# Altium PCB 2-quilter-output.pcbdoc (part 5 of 17)
Units mil, origin at the board's own origin, x right, y up, seen from the top; angles counter-clockwise.
Board outline 2728 x 2217 mil, 8 copper layers (L1_TOP, L2_GND, L3_INNER1, L4_GND, L5_PWR, L6_PWR, L7_GND, L8_BOT), stack 48.64 mil thick; 230 components, 327 nets, 1592 pads, 995 vias.
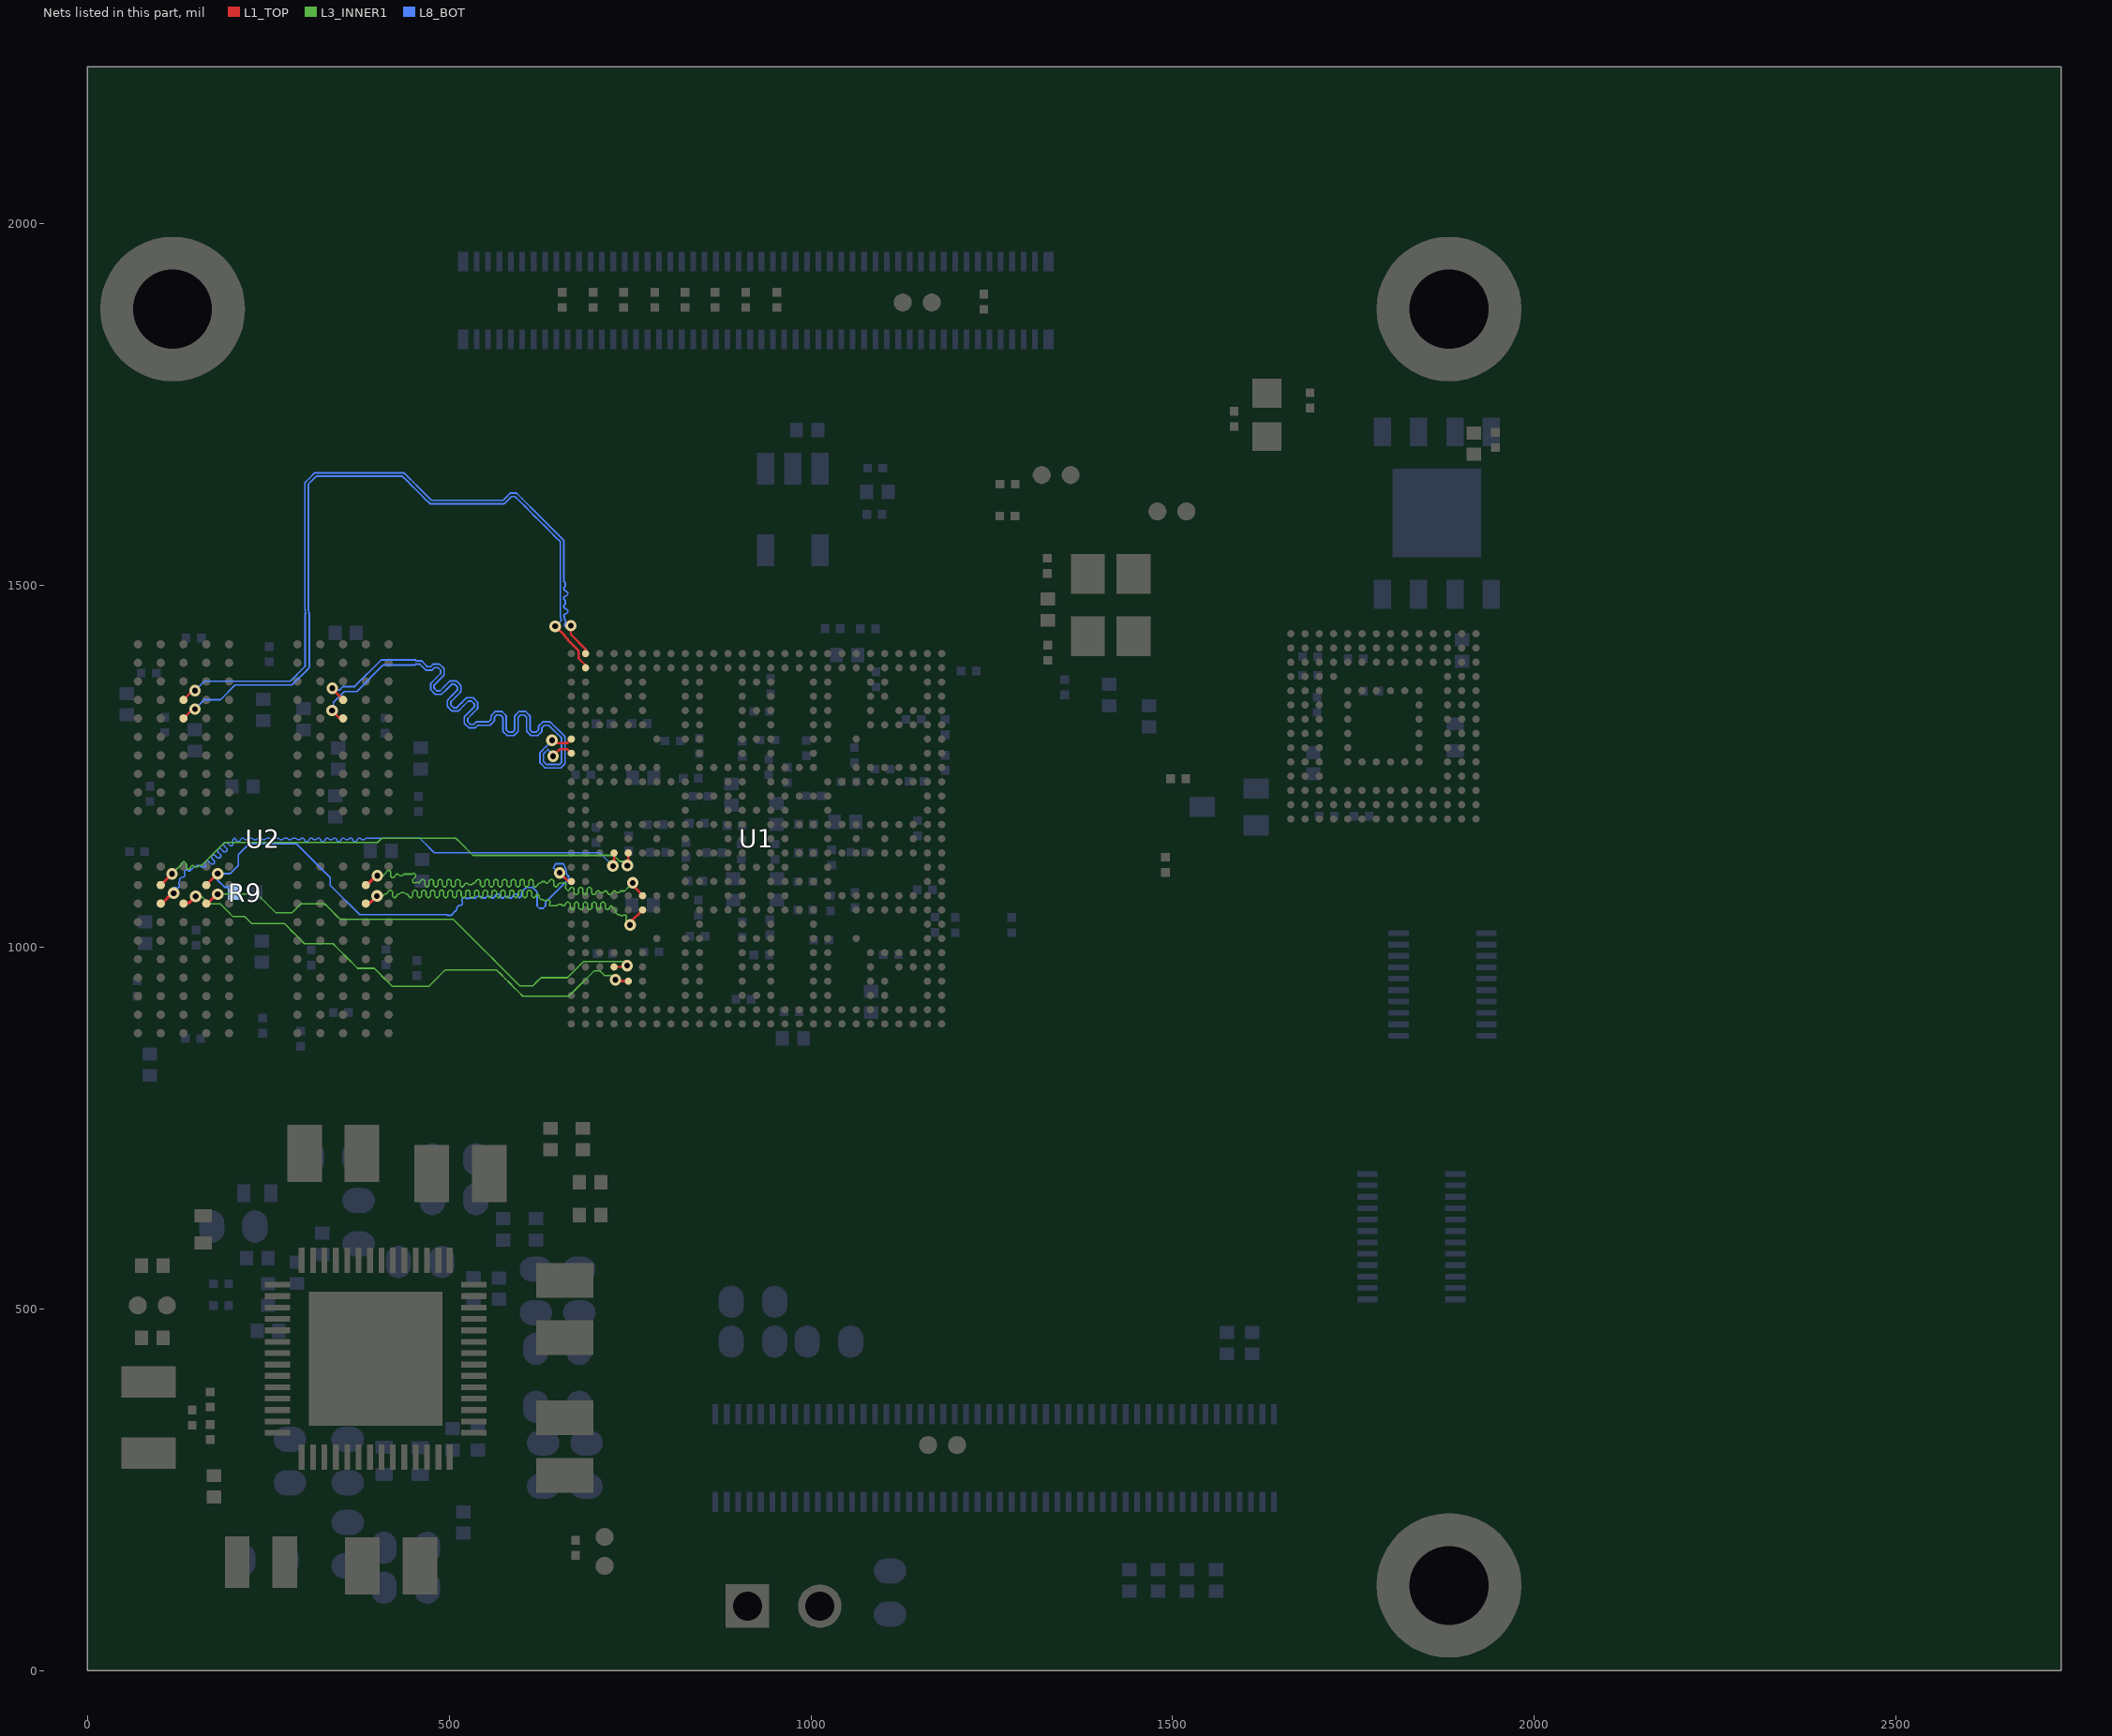
[diagram p11: the nets of this part, all layers, seen from the top]

## Via types
v1: diameter 12.01, hole 5.91, L1_TOP to L8_BOT, tented both sides, 409 vias
v2: diameter 16, hole 8, L1_TOP to L8_BOT, tented both sides, 329 vias
v3: diameter 10, hole 6, L1_TOP to L8_BOT, tented both sides, 205 vias
v4: diameter 16, hole 8, L1_TOP to L8_BOT, tented top, 52 vias

## Nets (pads, with @x,y where several pads share a name; then routed paths per layer and width w, separated by ;. In a path a pad name is that pad's centre, name@x,y a point inside that pad or via, vN(x,y) a via of type N, cw(c..) or ccw(c..) an arc to the next point about the centre after c; other vN are vias at no path point) (continued)
DRAMA_SDQS0_C: U1.B2 U2.V10 | length 1049.6
  L1_TOP w3: 678.87,1399.39 688.67,1389.59 U1.B2@688.67,1386.12
  L1_TOP w3.2: 660.39,1429.86 660.39,1429.08 663.87,1425.6 663.87,1424.92 678.78,1410.01 678.78,1408.02 678.87,1407.93 678.87,1399.39
  L1_TOP w3.3: U2.V10@133.09,1316.24 145.88,1329.03 v4(148.84,1329.03)
  L1_TOP w3.5: v4(646.7,1443.55) 660.39,1429.86
  L8_BOT w2.3: v4(148.84,1329.03) 161.75,1341.94 183.94,1341.94 204.42,1362.42 282.92,1362.42 286.02,1365.53 303.2,1382.7 306.3,1385.8 306.3,1386.31 307,1387.01 307,1460 ; 307.01,1461.14 306.4,1461.41 305.52,1469.29 305.52,1479.33 305.52,1489.36 305.52,1499.4 305.52,1509.43 305.52,1519.47 305.52,1529.5 305.52,1539.54 305.52,1549.57 305.52,1559.61 305.52,1569.64 305.52,1579.67 305.52,1589.71 305.52,1599.74 305.52,1609.78 305.52,1619.81 305.52,1629.85 305.52,1639.88 311.01,1645.37 316.5,1650.87 326.43,1650.87 336.35,1650.87 346.28,1650.87 356.2,1650.87 366.13,1650.87 376.05,1650.87 385.97,1650.87 395.9,1650.87 405.82,1650.87 415.75,1650.87 425.67,1650.87 435.6,1650.87 441.81,1644.65 448.02,1638.44 454.24,1632.23 460.45,1626.01 466.66,1619.8 472.87,1613.59 472.94,1613.53 473,1613.47 473.06,1613.42 473.13,1613.37 473.2,1613.32 473.27,1613.27 473.34,1613.22 473.41,1613.18 473.49,1613.14 473.56,1613.11 473.64,1613.07 473.72,1613.04 473.8,1613.01 473.88,1612.99 473.96,1612.96 474.04,1612.94 474.13,1612.93 474.21,1612.91 474.29,1612.9 474.38,1612.89 474.46,1612.89 474.55,1612.88 484.65,1612.88 494.76,1612.88 504.87,1612.88 514.98,1612.88 525.08,1612.88 535.19,1612.88 545.3,1612.88 555.41,1612.88 565.51,1612.88 575.62,1612.88 575.7,1612.89 575.79,1612.89 575.87,1612.9 575.96,1612.91 576.04,1612.92 576.12,1612.94 576.21,1612.96 576.29,1612.98 576.37,1613 576.45,1613.03 576.53,1613.06 576.6,1613.1 576.68,1613.13 576.76,1613.17 576.83,1613.21 576.9,1613.26 576.97,1613.3 577.04,1613.35 577.11,1613.4 577.17,1613.46 577.24,1613.51 577.3,1613.57 ; 577.32,1613.59 581.98,1618.25 586.65,1622.92 591.18,1622.92 598.13,1615.97 605.08,1609.02 612.03,1602.07 618.99,1595.12 625.94,1588.17 632.89,1581.21 639.84,1574.26 646.79,1567.31 653.74,1560.36 653.74,1550.17 653.74,1539.98 653.74,1529.8 653.74,1519.61 653.74,1509.42 653.74,1499.23 653.74,1489.05 653.74,1478.86 653.74,1468.67 653.74,1458.48 653.74,1458.4 653.75,1458.31 653.76,1458.23 653.77,1458.14 653.78,1458.06 653.8,1457.98 ; v4@647.84,1442.41 651.52,1446.97 655.19,1451.52 653.8,1457.97
DRAMA_SDQS0_T: U1.A2 U2.W10 | length 1041.9
  L1_TOP w3.2: v4(668.39,1444.4) 668.39,1432.4 688.67,1412.12 U1.A2@688.67,1405.81
  L1_TOP w3.3: U2.W10@133.09,1341.83 145.88,1354.62 v4(148.84,1354.62)
  L8_BOT w2.3: v4(148.84,1354.62) 161.94,1367.72 280.72,1367.72 301,1388 301,1460 ; 301,1461.14 301.63,1460.88 300.74,1468.9 300.73,1468.99 300.72,1469.08 300.72,1469.16 300.72,1479.26 300.72,1489.37 300.72,1499.47 300.72,1509.57 300.72,1519.67 300.72,1529.78 300.72,1539.88 300.72,1549.98 300.72,1560.08 300.72,1570.18 300.72,1580.29 300.72,1590.39 300.72,1600.49 300.72,1610.59 300.72,1620.7 300.72,1630.8 300.72,1640.9 300.72,1640.98 300.73,1641.07 300.74,1641.15 300.75,1641.24 300.76,1641.32 300.78,1641.4 300.8,1641.48 300.82,1641.57 300.85,1641.65 300.88,1641.73 300.91,1641.81 300.94,1641.88 300.98,1641.96 301.02,1642.03 301.06,1642.11 301.11,1642.18 301.15,1642.25 301.2,1642.32 301.25,1642.38 301.31,1642.45 301.36,1642.51 301.42,1642.57 307.62,1648.77 313.81,1654.96 ; 313.83,1654.98 313.89,1655.04 313.96,1655.09 314.02,1655.15 314.09,1655.2 314.16,1655.25 314.23,1655.29 314.3,1655.34 314.37,1655.38 314.45,1655.42 314.53,1655.45 314.6,1655.49 314.68,1655.52 314.76,1655.55 314.84,1655.57 314.92,1655.59 315.01,1655.61 315.09,1655.63 315.17,1655.64 315.26,1655.65 315.34,1655.66 315.43,1655.66 315.51,1655.67 325.6,1655.67 335.69,1655.67 345.79,1655.67 355.88,1655.67 365.97,1655.67 376.06,1655.67 386.15,1655.67 396.25,1655.67 406.34,1655.67 416.43,1655.67 426.52,1655.67 436.61,1655.67 436.7,1655.66 436.78,1655.66 436.87,1655.65 436.95,1655.64 437.03,1655.62 437.12,1655.61 437.2,1655.59 437.28,1655.56 437.36,1655.54 437.44,1655.51 437.52,1655.48 437.6,1655.44 437.67,1655.41 437.75,1655.37 437.82,1655.33 437.89,1655.28 437.96,1655.23 438.03,1655.18 438.1,1655.13 438.16,1655.08 438.23,1655.02 438.29,1654.96 444.5,1648.75 450.71,1642.54 456.93,1636.32 463.14,1630.11 469.35,1623.9 475.57,1617.68 485.47,1617.68 495.38,1617.68 505.28,1617.68 515.19,1617.68 525.1,1617.68 535,1617.68 544.91,1617.68 554.81,1617.68 564.72,1617.68 574.63,1617.68 579.29,1622.35 583.96,1627.02 ; 583.98,1627.04 584.04,1627.09 584.1,1627.15 584.17,1627.2 584.24,1627.26 584.31,1627.3 584.38,1627.35 584.45,1627.39 584.52,1627.44 584.6,1627.47 584.67,1627.51 584.75,1627.54 584.83,1627.57 584.91,1627.6 584.99,1627.63 585.07,1627.65 585.16,1627.67 585.24,1627.69 585.32,1627.7 585.41,1627.71 585.49,1627.72 585.57,1627.72 585.66,1627.72 592.2,1627.72 592.28,1627.72 592.37,1627.71 592.45,1627.71 592.54,1627.7 592.62,1627.68 592.7,1627.66 592.78,1627.64 592.87,1627.62 592.95,1627.59 593.03,1627.57 593.1,1627.54 593.18,1627.5 593.26,1627.46 593.33,1627.42 593.41,1627.38 593.48,1627.34 593.55,1627.29 593.62,1627.24 593.68,1627.19 593.75,1627.13 593.81,1627.08 593.87,1627.02 600.98,1619.91 608.09,1612.8 615.19,1605.7 622.3,1598.59 629.41,1591.48 636.52,1584.37 643.62,1577.27 650.73,1570.16 657.84,1563.05 657.91,1562.97 657.97,1562.91 658.02,1562.84 658.08,1562.78 658.12,1562.71 658.17,1562.64 658.21,1562.57 658.26,1562.49 658.29,1562.42 658.33,1562.34 658.36,1562.26 658.39,1562.18 658.42,1562.1 658.45,1562.02 658.47,1561.94 658.49,1561.86 658.51,1561.78 658.52,1561.69 658.53,1561.61 658.54,1561.52 658.54,1561.44 658.54,1561.35 658.54,1552.46 658.54,1543.56 658.54,1534.66 658.54,1525.76 658.54,1516.87 658.54,1507.97 658.54,1505.67 660.73,1503.48 660.73,1498.88 658.54,1496.7 658.54,1494.4 660.73,1492.21 661.88,1492.21 664.06,1490.02 664.06,1487.72 661.88,1485.54 660.73,1485.54 658.54,1483.35 658.54,1481.05 660.73,1478.87 660.73,1474.27 658.54,1472.08 658.54,1469.78 660.73,1467.6 661.88,1467.6 664.06,1465.41 664.06,1463.11 661.88,1460.92 660.73,1460.92 658.54,1458.74 659.88,1452.54 661.14,1451.1 660.92,1448.02 660.06,1447.26 659.85,1444.18 661.36,1442.44 664.44,1442.23 665.31,1442.99 v4@668.39,1442.78
DRAMA_SDQS1_C: U1.H1 U2.V3 | length 753.1
  L1_TOP w3.3: v4(338.39,1327.17) 349.32,1316.24 U2.V3@353.57,1316.24
  L1_TOP w3.5: v2(643.7,1264) 653.46,1273.76 663.23,1273.76 U1.H1@668.98,1268.01
  L8_BOT w2.3: v4(338.39,1327.17) 340.44,1329.22 340.44,1338.62 355.12,1353.3 372.52,1353.3 409.22,1390 453,1390 ; 453.56,1391.14 454.14,1391.1 459.8,1391.11 463.55,1387.35 467.31,1383.6 467.37,1383.54 467.44,1383.48 467.5,1383.43 467.57,1383.38 467.63,1383.33 467.71,1383.28 467.78,1383.23 467.85,1383.19 467.93,1383.15 468,1383.12 468.08,1383.08 468.16,1383.05 468.24,1383.02 468.32,1383 468.4,1382.97 468.48,1382.95 468.56,1382.94 468.65,1382.92 468.73,1382.91 468.81,1382.9 468.9,1382.9 468.98,1382.89 475.54,1382.89 475.63,1382.9 475.71,1382.9 475.8,1382.91 475.88,1382.92 475.96,1382.93 476.05,1382.95 476.13,1382.97 476.21,1382.99 476.29,1383.01 476.37,1383.04 476.45,1383.07 476.53,1383.11 476.61,1383.14 476.68,1383.18 476.75,1383.22 476.83,1383.27 476.9,1383.31 476.97,1383.36 477.03,1383.41 477.1,1383.47 477.16,1383.52 477.22,1383.58 ; 475.31,1355.31 480.38,1350.24 480.44,1350.18 480.51,1350.13 480.57,1350.07 480.64,1350.02 480.71,1349.97 480.78,1349.92 480.85,1349.88 480.92,1349.84 481,1349.8 481.07,1349.76 481.15,1349.73 481.23,1349.7 481.31,1349.67 481.39,1349.64 481.47,1349.62 481.55,1349.6 481.63,1349.58 481.72,1349.57 481.8,1349.56 481.89,1349.55 481.97,1349.54 482.06,1349.54 488.62,1349.54 488.7,1349.54 488.78,1349.55 488.87,1349.55 488.95,1349.56 489.04,1349.58 489.12,1349.59 489.2,1349.61 489.28,1349.63 489.36,1349.66 489.44,1349.69 489.52,1349.72 489.6,1349.75 489.68,1349.79 489.75,1349.83 489.83,1349.87 489.9,1349.91 489.97,1349.96 490.04,1350.01 490.1,1350.06 490.17,1350.11 490.23,1350.17 490.29,1350.23 496.83,1356.77 503.36,1363.29 507.9,1363.29 511.57,1359.62 511.57,1355.08 505.05,1348.55 498.52,1342.03 498.46,1341.97 498.41,1341.91 498.35,1341.84 498.3,1341.78 498.25,1341.71 498.21,1341.64 498.16,1341.57 498.12,1341.49 498.08,1341.42 498.04,1341.34 498.01,1341.26 497.98,1341.19 497.95,1341.11 497.92,1341.03 497.9,1340.94 497.88,1340.86 497.86,1340.78 497.85,1340.7 497.84,1340.61 497.83,1340.53 497.82,1340.44 497.82,1340.36 497.82,1333.8 497.82,1333.71 497.83,1333.63 497.83,1333.55 497.84,1333.46 497.86,1333.38 497.87,1333.29 497.89,1333.21 497.92,1333.13 497.94,1333.05 497.97,1332.97 498,1332.89 498.03,1332.81 498.07,1332.74 498.11,1332.66 498.15,1332.59 498.19,1332.52 498.24,1332.45 498.29,1332.38 498.34,1332.31 498.39,1332.24 498.45,1332.18 498.51,1332.12 503.59,1327.03 503.66,1326.97 503.72,1326.92 503.78,1326.86 503.85,1326.81 503.92,1326.76 503.99,1326.71 504.06,1326.67 504.13,1326.63 504.21,1326.59 504.28,1326.55 504.36,1326.52 504.44,1326.48 504.52,1326.46 504.6,1326.43 504.68,1326.41 504.76,1326.39 504.85,1326.37 504.93,1326.36 505.01,1326.34 505.1,1326.34 505.18,1326.33 505.27,1326.33 511.83,1326.33 511.91,1326.33 512,1326.33 512.08,1326.34 512.16,1326.35 512.25,1326.37 512.33,1326.38 512.41,1326.4 512.49,1326.42 512.58,1326.45 512.66,1326.48 512.73,1326.51 512.81,1326.54 512.89,1326.58 512.96,1326.61 513.04,1326.66 513.11,1326.7 513.18,1326.75 513.25,1326.79 513.32,1326.85 513.38,1326.9 513.45,1326.96 513.51,1327.01 ; 475.29,1355.33 475.24,1355.39 475.18,1355.46 475.13,1355.52 475.08,1355.59 475.03,1355.66 474.98,1355.73 474.94,1355.8 474.89,1355.87 474.86,1355.95 474.82,1356.03 474.79,1356.1 474.76,1356.18 474.73,1356.26 474.7,1356.34 474.68,1356.42 474.66,1356.51 474.65,1356.59 474.63,1356.67 474.62,1356.76 474.61,1356.84 474.61,1356.93 474.61,1357.01 474.61,1363.57 474.61,1363.66 474.62,1363.74 474.62,1363.82 474.64,1363.91 474.65,1363.99 474.67,1364.07 474.69,1364.16 474.71,1364.24 474.74,1364.32 474.76,1364.4 474.8,1364.48 474.83,1364.55 474.87,1364.63 474.91,1364.7 474.95,1364.78 474.99,1364.85 475.04,1364.92 475.09,1364.99 475.14,1365.06 475.2,1365.12 475.25,1365.18 475.31,1365.24 481.83,1371.77 488.36,1378.29 488.36,1382.83 484.69,1386.5 480.14,1386.5 477.24,1383.6 ; 513.52,1327.03 520.05,1333.55 526.57,1340.08 531.12,1340.08 534.78,1336.41 534.78,1331.86 528.26,1325.34 521.74,1318.82 521.68,1318.76 521.62,1318.69 521.57,1318.63 521.51,1318.56 521.47,1318.49 521.42,1318.42 521.37,1318.35 521.33,1318.28 521.29,1318.2 521.25,1318.13 521.22,1318.05 521.19,1317.97 521.16,1317.89 521.13,1317.81 521.11,1317.73 521.09,1317.65 521.07,1317.57 521.06,1317.48 521.05,1317.4 521.04,1317.32 521.04,1317.23 521.03,1317.15 521.03,1310.59 521.03,1310.5 521.04,1310.42 521.05,1310.33 521.06,1310.25 521.07,1310.17 521.09,1310.08 521.11,1310 521.13,1309.92 521.15,1309.84 521.18,1309.76 521.21,1309.68 521.24,1309.6 521.28,1309.52 521.32,1309.45 521.36,1309.38 521.4,1309.3 521.45,1309.23 521.5,1309.16 521.55,1309.1 521.6,1309.03 521.66,1308.97 521.72,1308.91 ; 521.74,1308.89 526.81,1303.82 526.87,1303.76 526.93,1303.7 527,1303.65 527.06,1303.6 527.13,1303.55 527.2,1303.5 527.27,1303.46 527.35,1303.41 527.42,1303.37 527.5,1303.34 527.57,1303.3 527.65,1303.27 527.73,1303.24 527.81,1303.22 527.89,1303.19 527.98,1303.17 528.06,1303.16 528.14,1303.14 528.23,1303.13 528.31,1303.12 528.4,1303.12 528.48,1303.12 535.04,1303.12 535.12,1303.12 535.21,1303.12 535.29,1303.13 535.38,1303.14 535.46,1303.15 535.54,1303.17 535.63,1303.19 535.71,1303.21 535.79,1303.24 535.87,1303.26 535.95,1303.29 536.02,1303.33 536.1,1303.36 536.18,1303.4 536.25,1303.44 536.32,1303.49 536.39,1303.53 536.46,1303.58 536.53,1303.63 536.59,1303.69 536.66,1303.74 536.72,1303.8 ; 536.74,1303.82 539.64,1306.72 547.66,1306.72 555.67,1306.72 555.76,1306.72 555.84,1306.73 555.93,1306.73 556.01,1306.75 556.09,1306.76 556.18,1306.78 556.26,1306.79 556.34,1306.82 556.42,1306.84 556.5,1306.87 556.58,1306.9 556.66,1306.93 556.73,1306.97 556.81,1307.01 556.88,1307.05 556.96,1307.09 557.03,1307.14 557.1,1307.19 557.16,1307.24 557.23,1307.29 557.29,1307.35 557.35,1307.41 561.99,1312.05 562.05,1312.11 562.11,1312.17 562.16,1312.23 562.21,1312.3 562.26,1312.37 562.31,1312.44 562.35,1312.51 562.4,1312.59 562.44,1312.66 562.47,1312.74 562.51,1312.81 562.54,1312.89 562.57,1312.97 562.59,1313.05 562.62,1313.13 562.64,1313.22 562.65,1313.3 562.67,1313.38 562.68,1313.47 562.69,1313.55 562.69,1313.63 562.69,1313.72 562.69,1317.85 565.91,1321.06 571.09,1321.06 574.31,1317.85 574.31,1308.62 574.31,1299.4 574.31,1299.32 574.31,1299.23 574.32,1299.15 574.33,1299.06 574.35,1298.98 574.36,1298.9 574.38,1298.81 574.4,1298.73 574.43,1298.65 574.46,1298.57 574.49,1298.49 574.52,1298.42 574.56,1298.34 574.59,1298.26 574.64,1298.19 574.68,1298.12 574.73,1298.05 574.78,1297.98 574.83,1297.91 574.88,1297.85 574.94,1297.78 574.99,1297.72 579.63,1293.08 579.69,1293.02 579.76,1292.97 579.82,1292.91 579.89,1292.86 579.96,1292.81 580.03,1292.76 580.1,1292.72 580.17,1292.68 580.25,1292.64 580.32,1292.6 580.4,1292.57 580.48,1292.54 580.56,1292.51 580.64,1292.48 580.72,1292.46 580.8,1292.44 580.88,1292.42 580.97,1292.41 581.05,1292.4 581.14,1292.39 581.22,1292.38 581.31,1292.38 588.5,1292.38 588.59,1292.38 588.67,1292.39 588.75,1292.39 588.84,1292.4 588.92,1292.42 589,1292.43 589.09,1292.45 589.17,1292.47 589.25,1292.5 589.33,1292.53 589.41,1292.56 589.49,1292.59 589.56,1292.63 589.64,1292.67 589.71,1292.71 589.78,1292.75 589.85,1292.8 589.92,1292.85 589.99,1292.9 590.06,1292.95 590.12,1293.01 590.18,1293.07 ; 590.2,1293.08 594.82,1297.7 594.88,1297.76 594.93,1297.83 594.99,1297.89 595.04,1297.96 595.09,1298.03 595.14,1298.1 595.18,1298.17 595.22,1298.24 595.26,1298.32 595.3,1298.39 595.33,1298.47 595.37,1298.55 595.39,1298.63 595.42,1298.71 595.44,1298.79 595.46,1298.87 595.48,1298.96 595.49,1299.04 595.51,1299.12 595.51,1299.21 595.52,1299.29 595.52,1299.38 595.52,1308.61 595.52,1317.85 598.74,1321.06 603.92,1321.06 607.14,1317.85 607.14,1308.62 607.14,1299.4 607.14,1299.32 607.14,1299.23 607.15,1299.15 607.16,1299.06 607.17,1298.98 607.19,1298.9 607.21,1298.81 607.23,1298.73 607.26,1298.65 607.28,1298.57 607.31,1298.49 607.35,1298.42 607.38,1298.34 607.42,1298.26 607.46,1298.19 607.51,1298.12 607.55,1298.05 607.6,1297.98 607.65,1297.91 607.71,1297.85 607.76,1297.78 607.82,1297.72 ; 607.84,1297.7 612.46,1293.08 612.52,1293.02 612.58,1292.97 612.65,1292.91 612.72,1292.86 612.78,1292.81 612.85,1292.76 612.93,1292.72 613,1292.68 613.07,1292.64 613.15,1292.6 613.23,1292.57 613.31,1292.54 613.38,1292.51 613.47,1292.48 613.55,1292.46 613.63,1292.44 613.71,1292.42 613.8,1292.41 613.88,1292.4 613.96,1292.39 614.05,1292.38 614.13,1292.38 621.33,1292.38 621.41,1292.38 621.5,1292.39 621.58,1292.39 621.66,1292.4 621.75,1292.42 621.83,1292.43 621.91,1292.45 622,1292.47 622.08,1292.5 622.16,1292.53 622.23,1292.56 622.31,1292.59 622.39,1292.63 622.46,1292.67 622.54,1292.71 622.61,1292.75 622.68,1292.8 622.75,1292.85 622.82,1292.9 622.88,1292.95 622.95,1293.01 623.01,1293.07 ; 623.02,1293.08 627.65,1297.7 627.7,1297.76 627.76,1297.83 627.82,1297.89 627.87,1297.96 627.92,1298.03 627.96,1298.1 628.01,1298.17 628.05,1298.24 628.09,1298.32 628.13,1298.39 628.16,1298.47 628.19,1298.55 628.22,1298.63 628.25,1298.71 628.27,1298.79 628.29,1298.87 628.31,1298.96 628.32,1299.04 628.33,1299.12 628.34,1299.21 628.35,1299.29 628.35,1299.38 628.35,1303.51 631.56,1306.72 637.78,1306.72 643.7,1300.8 649.62,1294.89 655.53,1288.97 655.53,1280.64 655.53,1272.31 655.53,1263.98 655.53,1255.66 652.42,1252.54 643.59,1252.54 634.75,1252.54 630.5,1256.8 630.5,1266.95 636.7,1273.28 640.76,1269.21 v2@644.83,1265.14
DRAMA_SDQS1_T: U1.G1 U2.W3 | length 772.3
  L1_TOP w3.3: v4(338.61,1357.86) 338.61,1356.79 U2.W3@353.57,1341.83
  L1_TOP w3.5: v4(642.37,1285.93) 645.7,1285.93 649.57,1282.06 663.34,1282.06 U1.G1@668.98,1287.7
  L8_BOT w2.3: v4(338.61,1357.86) 341.06,1355.41 348.71,1355.41 353.6,1360.3 369.62,1360.3 406.32,1397 453,1397 ; 453.56,1398.15 454.13,1395.9 460.78,1395.91 460.9,1395.91 460.98,1395.91 461.07,1395.9 461.15,1395.89 461.23,1395.87 461.32,1395.86 461.4,1395.84 461.48,1395.81 461.56,1395.79 461.64,1395.76 461.72,1395.73 461.8,1395.69 461.87,1395.66 461.95,1395.62 462.02,1395.57 462.09,1395.53 462.16,1395.48 462.23,1395.43 462.3,1395.38 462.36,1395.33 462.42,1395.27 462.49,1395.21 466.24,1391.45 470,1387.69 474.55,1387.69 477.45,1390.6 477.53,1390.67 477.59,1390.73 477.66,1390.78 477.73,1390.83 477.8,1390.88 477.87,1390.93 477.94,1390.97 478.01,1391.01 478.09,1391.05 478.16,1391.09 478.24,1391.12 478.32,1391.15 478.4,1391.18 478.48,1391.2 478.56,1391.23 478.65,1391.25 478.73,1391.26 478.81,1391.28 478.9,1391.29 478.98,1391.29 479.06,1391.3 479.15,1391.3 485.71,1391.3 485.79,1391.3 485.88,1391.29 485.96,1391.28 486.05,1391.27 486.13,1391.26 486.21,1391.24 486.29,1391.22 486.38,1391.2 486.46,1391.17 486.54,1391.14 486.61,1391.11 486.69,1391.08 486.77,1391.04 486.84,1391 486.92,1390.96 486.99,1390.91 487.06,1390.87 487.13,1390.82 487.19,1390.77 487.26,1390.71 487.32,1390.66 487.38,1390.6 492.45,1385.53 ; 492.47,1385.51 492.53,1385.45 492.58,1385.38 492.64,1385.32 492.69,1385.25 492.74,1385.18 492.78,1385.11 492.83,1385.04 492.87,1384.97 492.91,1384.89 492.94,1384.81 492.98,1384.74 493.01,1384.66 493.04,1384.58 493.06,1384.5 493.08,1384.42 493.1,1384.33 493.12,1384.25 493.13,1384.17 493.14,1384.08 493.15,1384 493.15,1383.91 493.16,1383.83 493.16,1377.27 493.15,1377.18 493.15,1377.1 493.14,1377.02 493.13,1376.93 493.11,1376.85 493.1,1376.77 493.08,1376.68 493.05,1376.6 493.03,1376.52 493,1376.44 492.97,1376.36 492.93,1376.29 492.9,1376.21 492.86,1376.14 492.82,1376.06 492.77,1375.99 492.72,1375.92 492.67,1375.85 492.62,1375.79 492.57,1375.72 492.51,1375.66 492.45,1375.6 485.93,1369.07 479.41,1362.55 479.41,1358.01 483.07,1354.34 487.62,1354.34 494.14,1360.86 500.66,1367.38 ; 500.68,1367.4 500.74,1367.46 500.81,1367.52 500.87,1367.57 500.94,1367.62 501.01,1367.67 501.08,1367.72 501.15,1367.76 501.23,1367.8 501.3,1367.84 501.38,1367.88 501.45,1367.91 501.53,1367.94 501.61,1367.97 501.69,1367.99 501.78,1368.01 501.86,1368.03 501.94,1368.05 502.02,1368.06 502.11,1368.07 502.19,1368.08 502.28,1368.09 502.36,1368.09 508.92,1368.09 509.01,1368.09 509.09,1368.08 509.18,1368.07 509.26,1368.06 509.34,1368.05 509.43,1368.03 509.51,1368.01 509.59,1367.99 509.67,1367.96 509.75,1367.93 509.83,1367.9 509.9,1367.87 509.98,1367.83 510.06,1367.79 510.13,1367.75 510.2,1367.7 510.27,1367.66 510.34,1367.61 510.41,1367.55 510.47,1367.5 510.53,1367.44 510.59,1367.38 515.67,1362.31 ; 515.68,1362.3 515.74,1362.24 515.8,1362.17 515.85,1362.11 515.9,1362.04 515.95,1361.97 516,1361.9 516.04,1361.83 516.08,1361.75 516.12,1361.68 516.16,1361.6 516.19,1361.52 516.22,1361.45 516.25,1361.37 516.27,1361.28 516.3,1361.2 516.31,1361.12 516.33,1361.04 516.34,1360.95 516.35,1360.87 516.36,1360.79 516.37,1360.7 516.37,1360.62 516.37,1354.06 516.37,1353.97 516.36,1353.89 516.35,1353.8 516.34,1353.72 516.33,1353.64 516.31,1353.55 516.29,1353.47 516.27,1353.39 516.24,1353.31 516.21,1353.23 516.18,1353.15 516.15,1353.07 516.11,1353 516.07,1352.92 516.03,1352.85 515.98,1352.78 515.94,1352.71 515.89,1352.64 515.83,1352.57 515.78,1352.51 515.72,1352.44 515.66,1352.38 509.14,1345.86 502.62,1339.34 502.62,1334.79 506.29,1331.13 510.83,1331.13 517.35,1337.65 523.88,1344.17 ; 523.89,1344.19 523.96,1344.25 524.02,1344.3 524.09,1344.36 524.15,1344.41 524.22,1344.46 524.29,1344.5 524.36,1344.55 524.44,1344.59 524.51,1344.63 524.59,1344.66 524.67,1344.7 524.75,1344.73 524.83,1344.76 524.91,1344.78 524.99,1344.8 525.07,1344.82 525.15,1344.84 525.24,1344.85 525.32,1344.86 525.41,1344.87 525.49,1344.87 525.57,1344.88 532.13,1344.88 532.22,1344.87 532.3,1344.87 532.39,1344.86 532.47,1344.85 532.55,1344.83 532.64,1344.82 532.72,1344.8 532.8,1344.77 532.88,1344.75 532.96,1344.72 533.04,1344.69 533.12,1344.65 533.19,1344.62 533.27,1344.58 533.34,1344.54 533.41,1344.49 533.48,1344.44 533.55,1344.39 533.62,1344.34 533.68,1344.29 533.75,1344.23 533.81,1344.17 538.88,1339.1 538.95,1339.02 539.01,1338.96 539.06,1338.89 539.11,1338.83 539.16,1338.76 539.21,1338.69 539.25,1338.61 539.29,1338.54 539.33,1338.47 539.37,1338.39 539.4,1338.31 539.43,1338.23 539.46,1338.15 539.49,1338.07 539.51,1337.99 539.53,1337.91 539.54,1337.83 539.56,1337.74 539.57,1337.66 539.57,1337.57 539.58,1337.49 539.58,1337.4 539.58,1330.84 539.58,1330.76 539.57,1330.68 539.56,1330.59 539.55,1330.51 539.54,1330.42 539.52,1330.34 539.5,1330.26 539.48,1330.18 539.45,1330.1 539.42,1330.02 539.39,1329.94 539.36,1329.86 539.32,1329.79 539.28,1329.71 539.24,1329.64 539.2,1329.57 539.15,1329.5 539.1,1329.43 539.05,1329.36 538.99,1329.3 538.94,1329.23 538.88,1329.17 532.36,1322.65 525.83,1316.13 525.83,1311.58 529.5,1307.92 534.04,1307.92 536.95,1310.82 ; 536.97,1310.84 537.03,1310.89 537.09,1310.95 537.16,1311 537.22,1311.05 537.29,1311.1 537.36,1311.15 537.43,1311.19 537.51,1311.24 537.58,1311.27 537.66,1311.31 537.74,1311.34 537.82,1311.37 537.9,1311.4 537.98,1311.43 538.06,1311.45 538.14,1311.47 538.22,1311.48 538.31,1311.5 538.39,1311.51 538.48,1311.52 538.56,1311.52 538.65,1311.52 546.66,1311.52 554.68,1311.52 557.89,1314.74 557.89,1318.87 557.9,1318.95 557.9,1319.04 557.91,1319.12 557.92,1319.2 557.94,1319.29 557.95,1319.37 557.97,1319.45 558,1319.53 558.02,1319.61 558.05,1319.69 558.08,1319.77 558.12,1319.85 558.15,1319.93 558.19,1320 558.23,1320.07 558.28,1320.15 558.33,1320.22 558.38,1320.28 558.43,1320.35 558.48,1320.42 558.54,1320.48 558.6,1320.54 563.22,1325.16 ; 563.24,1325.18 563.3,1325.24 563.36,1325.29 563.43,1325.35 563.49,1325.4 563.56,1325.45 563.63,1325.49 563.71,1325.54 563.78,1325.58 563.85,1325.62 563.93,1325.65 564.01,1325.69 564.09,1325.72 564.17,1325.74 564.25,1325.77 564.33,1325.79 564.41,1325.81 564.49,1325.83 564.58,1325.84 564.66,1325.85 564.75,1325.86 564.83,1325.86 564.92,1325.86 572.11,1325.86 572.2,1325.86 572.28,1325.86 572.36,1325.85 572.45,1325.84 572.53,1325.82 572.61,1325.8 572.7,1325.78 572.78,1325.76 572.86,1325.74 572.94,1325.71 573.02,1325.68 573.09,1325.64 573.17,1325.61 573.24,1325.57 573.32,1325.52 573.39,1325.48 573.46,1325.43 573.53,1325.38 573.6,1325.33 573.66,1325.28 573.72,1325.22 573.78,1325.16 578.41,1320.54 ; 578.42,1320.52 578.48,1320.46 578.54,1320.4 578.59,1320.33 578.64,1320.26 578.69,1320.2 578.74,1320.12 578.78,1320.05 578.82,1319.98 578.86,1319.9 578.9,1319.83 578.93,1319.75 578.96,1319.67 578.99,1319.59 579.01,1319.51 579.04,1319.43 579.05,1319.35 579.07,1319.26 579.08,1319.18 579.09,1319.1 579.1,1319.01 579.11,1318.93 579.11,1318.84 579.11,1309.62 579.11,1300.4 582.32,1297.18 587.51,1297.18 590.72,1300.4 590.72,1309.63 590.72,1318.87 590.72,1318.95 590.73,1319.04 590.74,1319.12 590.75,1319.2 590.76,1319.29 590.78,1319.37 590.8,1319.45 590.82,1319.53 590.85,1319.61 590.88,1319.69 590.91,1319.77 590.94,1319.85 590.98,1319.93 591.02,1320 591.06,1320.07 591.11,1320.15 591.15,1320.22 591.2,1320.28 591.26,1320.35 591.31,1320.42 591.37,1320.48 591.42,1320.54 596.05,1325.16 ; 596.06,1325.18 596.12,1325.24 596.19,1325.29 596.25,1325.35 596.32,1325.4 596.39,1325.45 596.46,1325.49 596.53,1325.54 596.61,1325.58 596.68,1325.62 596.76,1325.65 596.84,1325.69 596.91,1325.72 596.99,1325.74 597.08,1325.77 597.16,1325.79 597.24,1325.81 597.32,1325.83 597.41,1325.84 597.49,1325.85 597.57,1325.86 597.66,1325.86 597.74,1325.86 604.94,1325.86 605.02,1325.86 605.11,1325.86 605.19,1325.85 605.28,1325.84 605.36,1325.82 605.44,1325.8 605.52,1325.78 605.61,1325.76 605.69,1325.74 605.77,1325.71 605.84,1325.68 605.92,1325.64 606,1325.61 606.07,1325.57 606.15,1325.52 606.22,1325.48 606.29,1325.43 606.36,1325.38 606.42,1325.33 606.49,1325.28 606.55,1325.22 606.61,1325.16 611.23,1320.54 ; 611.25,1320.52 611.31,1320.46 611.36,1320.4 611.42,1320.33 611.47,1320.26 611.52,1320.2 611.56,1320.12 611.61,1320.05 611.65,1319.98 611.69,1319.9 611.72,1319.83 611.76,1319.75 611.79,1319.67 611.82,1319.59 611.84,1319.51 611.86,1319.43 611.88,1319.35 611.9,1319.26 611.91,1319.18 611.92,1319.1 611.93,1319.01 611.93,1318.93 611.94,1318.84 611.94,1309.62 611.94,1300.4 615.15,1297.18 620.33,1297.18 623.55,1300.4 623.55,1304.52 623.55,1304.61 623.56,1304.69 623.57,1304.78 623.58,1304.86 623.59,1304.94 623.61,1305.03 623.63,1305.11 623.65,1305.19 623.68,1305.27 623.7,1305.35 623.74,1305.43 623.77,1305.51 623.81,1305.58 623.85,1305.66 623.89,1305.73 623.93,1305.8 623.98,1305.87 624.03,1305.94 624.08,1306.01 624.14,1306.07 624.19,1306.14 624.25,1306.2 628.87,1310.82 ; 628.89,1310.84 628.95,1310.89 629.01,1310.95 629.08,1311 629.15,1311.05 629.22,1311.1 629.29,1311.15 629.36,1311.19 629.43,1311.24 629.51,1311.27 629.59,1311.31 629.66,1311.34 629.74,1311.37 629.82,1311.4 629.9,1311.43 629.98,1311.45 630.07,1311.47 630.15,1311.48 630.23,1311.5 630.32,1311.51 630.4,1311.52 630.49,1311.52 630.57,1311.52 638.8,1311.52 638.89,1311.52 638.97,1311.51 639.05,1311.51 639.14,1311.49 639.22,1311.48 639.3,1311.46 639.39,1311.44 639.47,1311.42 639.55,1311.39 639.63,1311.37 639.71,1311.33 639.78,1311.3 639.86,1311.26 639.93,1311.22 640.01,1311.18 640.08,1311.14 640.15,1311.09 640.22,1311.04 640.29,1310.99 640.35,1310.93 640.41,1310.88 640.47,1310.82 646.86,1304.43 653.25,1298.05 659.63,1291.66 659.71,1291.58 659.76,1291.52 659.82,1291.45 659.87,1291.39 659.92,1291.32 659.96,1291.25 660.01,1291.17 660.05,1291.1 660.09,1291.03 660.12,1290.95 660.16,1290.87 660.19,1290.79 660.21,1290.71 660.24,1290.63 660.26,1290.55 660.28,1290.47 660.3,1290.38 660.31,1290.3 660.32,1290.22 660.33,1290.13 660.33,1290.05 660.33,1289.96 660.33,1281.13 660.33,1272.3 660.33,1263.47 660.33,1254.64 660.33,1254.55 660.33,1254.47 660.32,1254.38 660.31,1254.3 660.29,1254.22 660.28,1254.13 660.26,1254.05 660.23,1253.97 660.21,1253.89 660.18,1253.81 660.15,1253.73 660.11,1253.65 660.08,1253.58 660.04,1253.5 659.99,1253.43 659.95,1253.36 659.9,1253.29 659.85,1253.22 659.8,1253.15 659.75,1253.09 659.69,1253.03 659.63,1252.96 655.11,1248.44 655.03,1248.37 654.97,1248.31 654.9,1248.26 654.84,1248.21 654.77,1248.16 654.7,1248.11 654.62,1248.07 654.55,1248.03 654.48,1247.99 654.4,1247.95 654.32,1247.92 654.24,1247.89 654.16,1247.86 654.08,1247.84 654,1247.81 653.92,1247.79 653.83,1247.78 653.75,1247.76 653.67,1247.75 653.58,1247.75 653.5,1247.74 653.41,1247.74 643.58,1247.74 633.74,1247.74 633.65,1247.74 633.57,1247.75 633.48,1247.76 633.4,1247.77 633.32,1247.78 633.23,1247.8 633.15,1247.82 633.07,1247.84 632.99,1247.87 632.91,1247.9 632.83,1247.93 632.75,1247.96 632.68,1248 632.6,1248.04 632.53,1248.08 632.46,1248.13 632.39,1248.17 632.32,1248.22 632.25,1248.27 632.19,1248.33 632.12,1248.38 632.06,1248.44 626.4,1254.11 626.33,1254.18 626.27,1254.25 626.22,1254.31 626.17,1254.38 626.12,1254.45 626.07,1254.52 626.03,1254.59 625.99,1254.67 625.95,1254.74 625.91,1254.82 625.88,1254.9 625.85,1254.97 625.82,1255.05 625.79,1255.14 625.77,1255.22 625.75,1255.3 625.74,1255.38 625.72,1255.47 625.71,1255.55 625.7,1255.63 625.7,1255.72 625.7,1255.8 625.7,1261.86 625.7,1267.92 625.7,1268.01 625.7,1268.09 625.71,1268.17 625.72,1268.26 625.74,1268.34 625.75,1268.42 625.77,1268.51 625.79,1268.59 625.82,1268.67 625.85,1268.75 625.88,1268.83 625.91,1268.91 625.95,1268.98 625.98,1269.06 626.03,1269.13 626.07,1269.2 626.12,1269.27 626.16,1269.34 626.22,1269.41 626.27,1269.48 626.32,1269.54 626.38,1269.6 633.26,1276.64 638.98,1280.65 v4@644.69,1284.67